# KiCad board heepokranios-bo.kicad_pcb
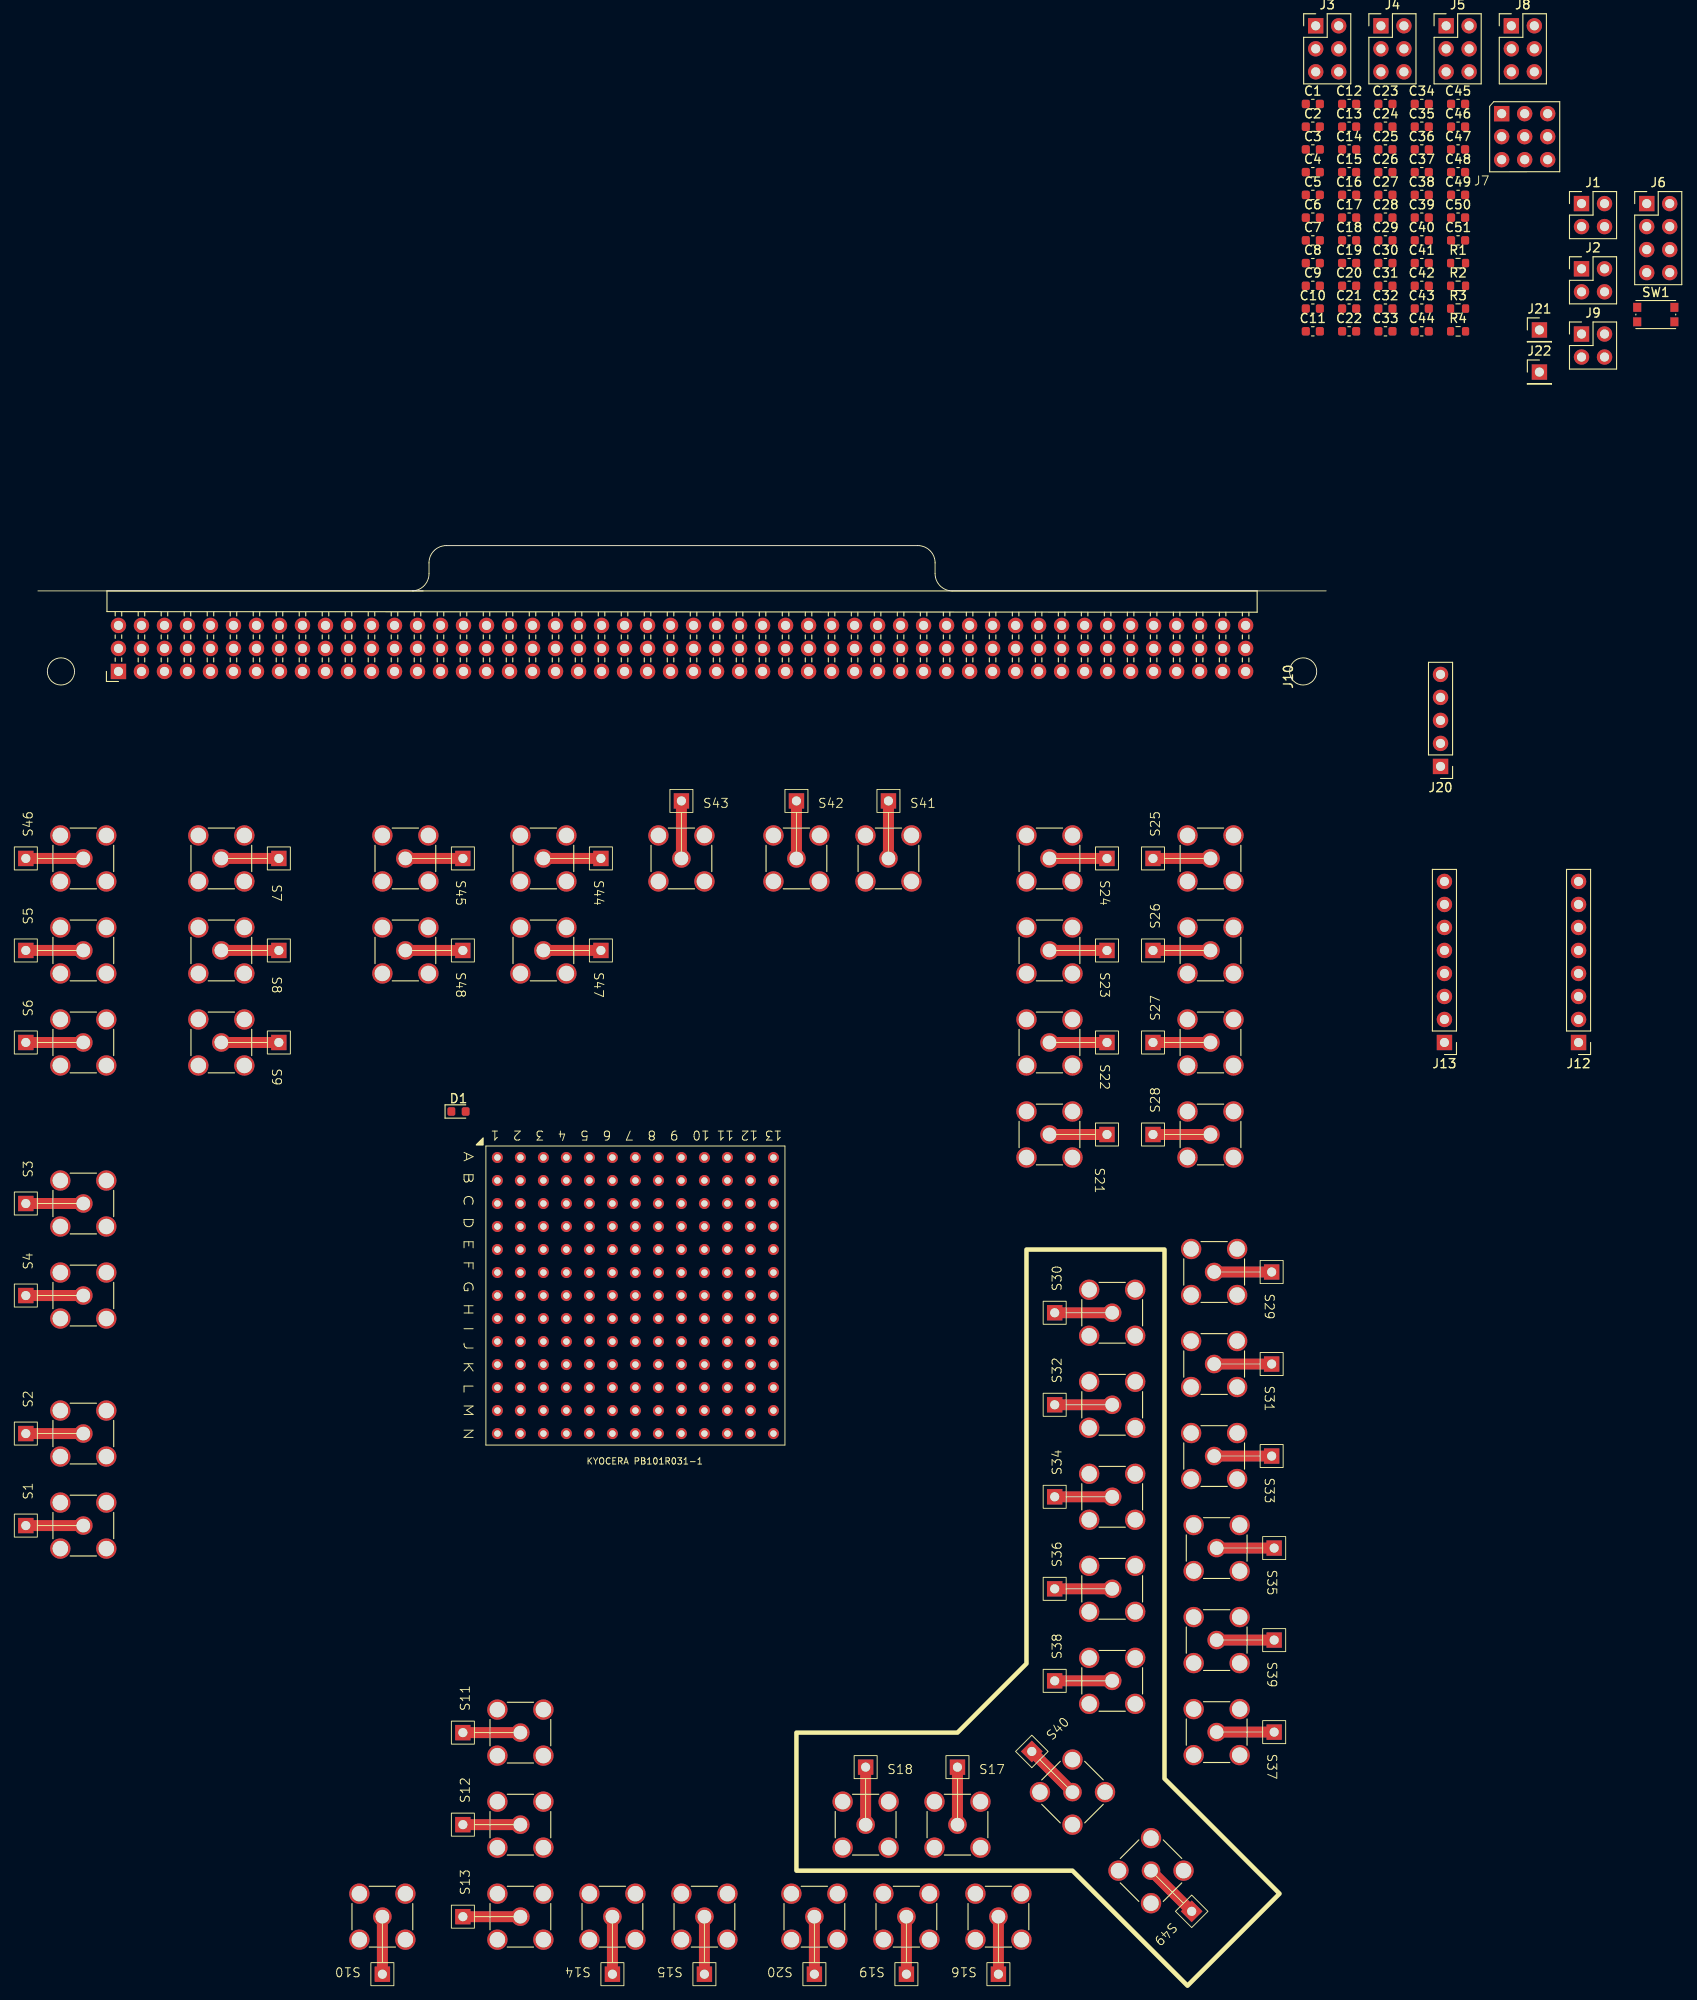
[diagram p0: board, top side]
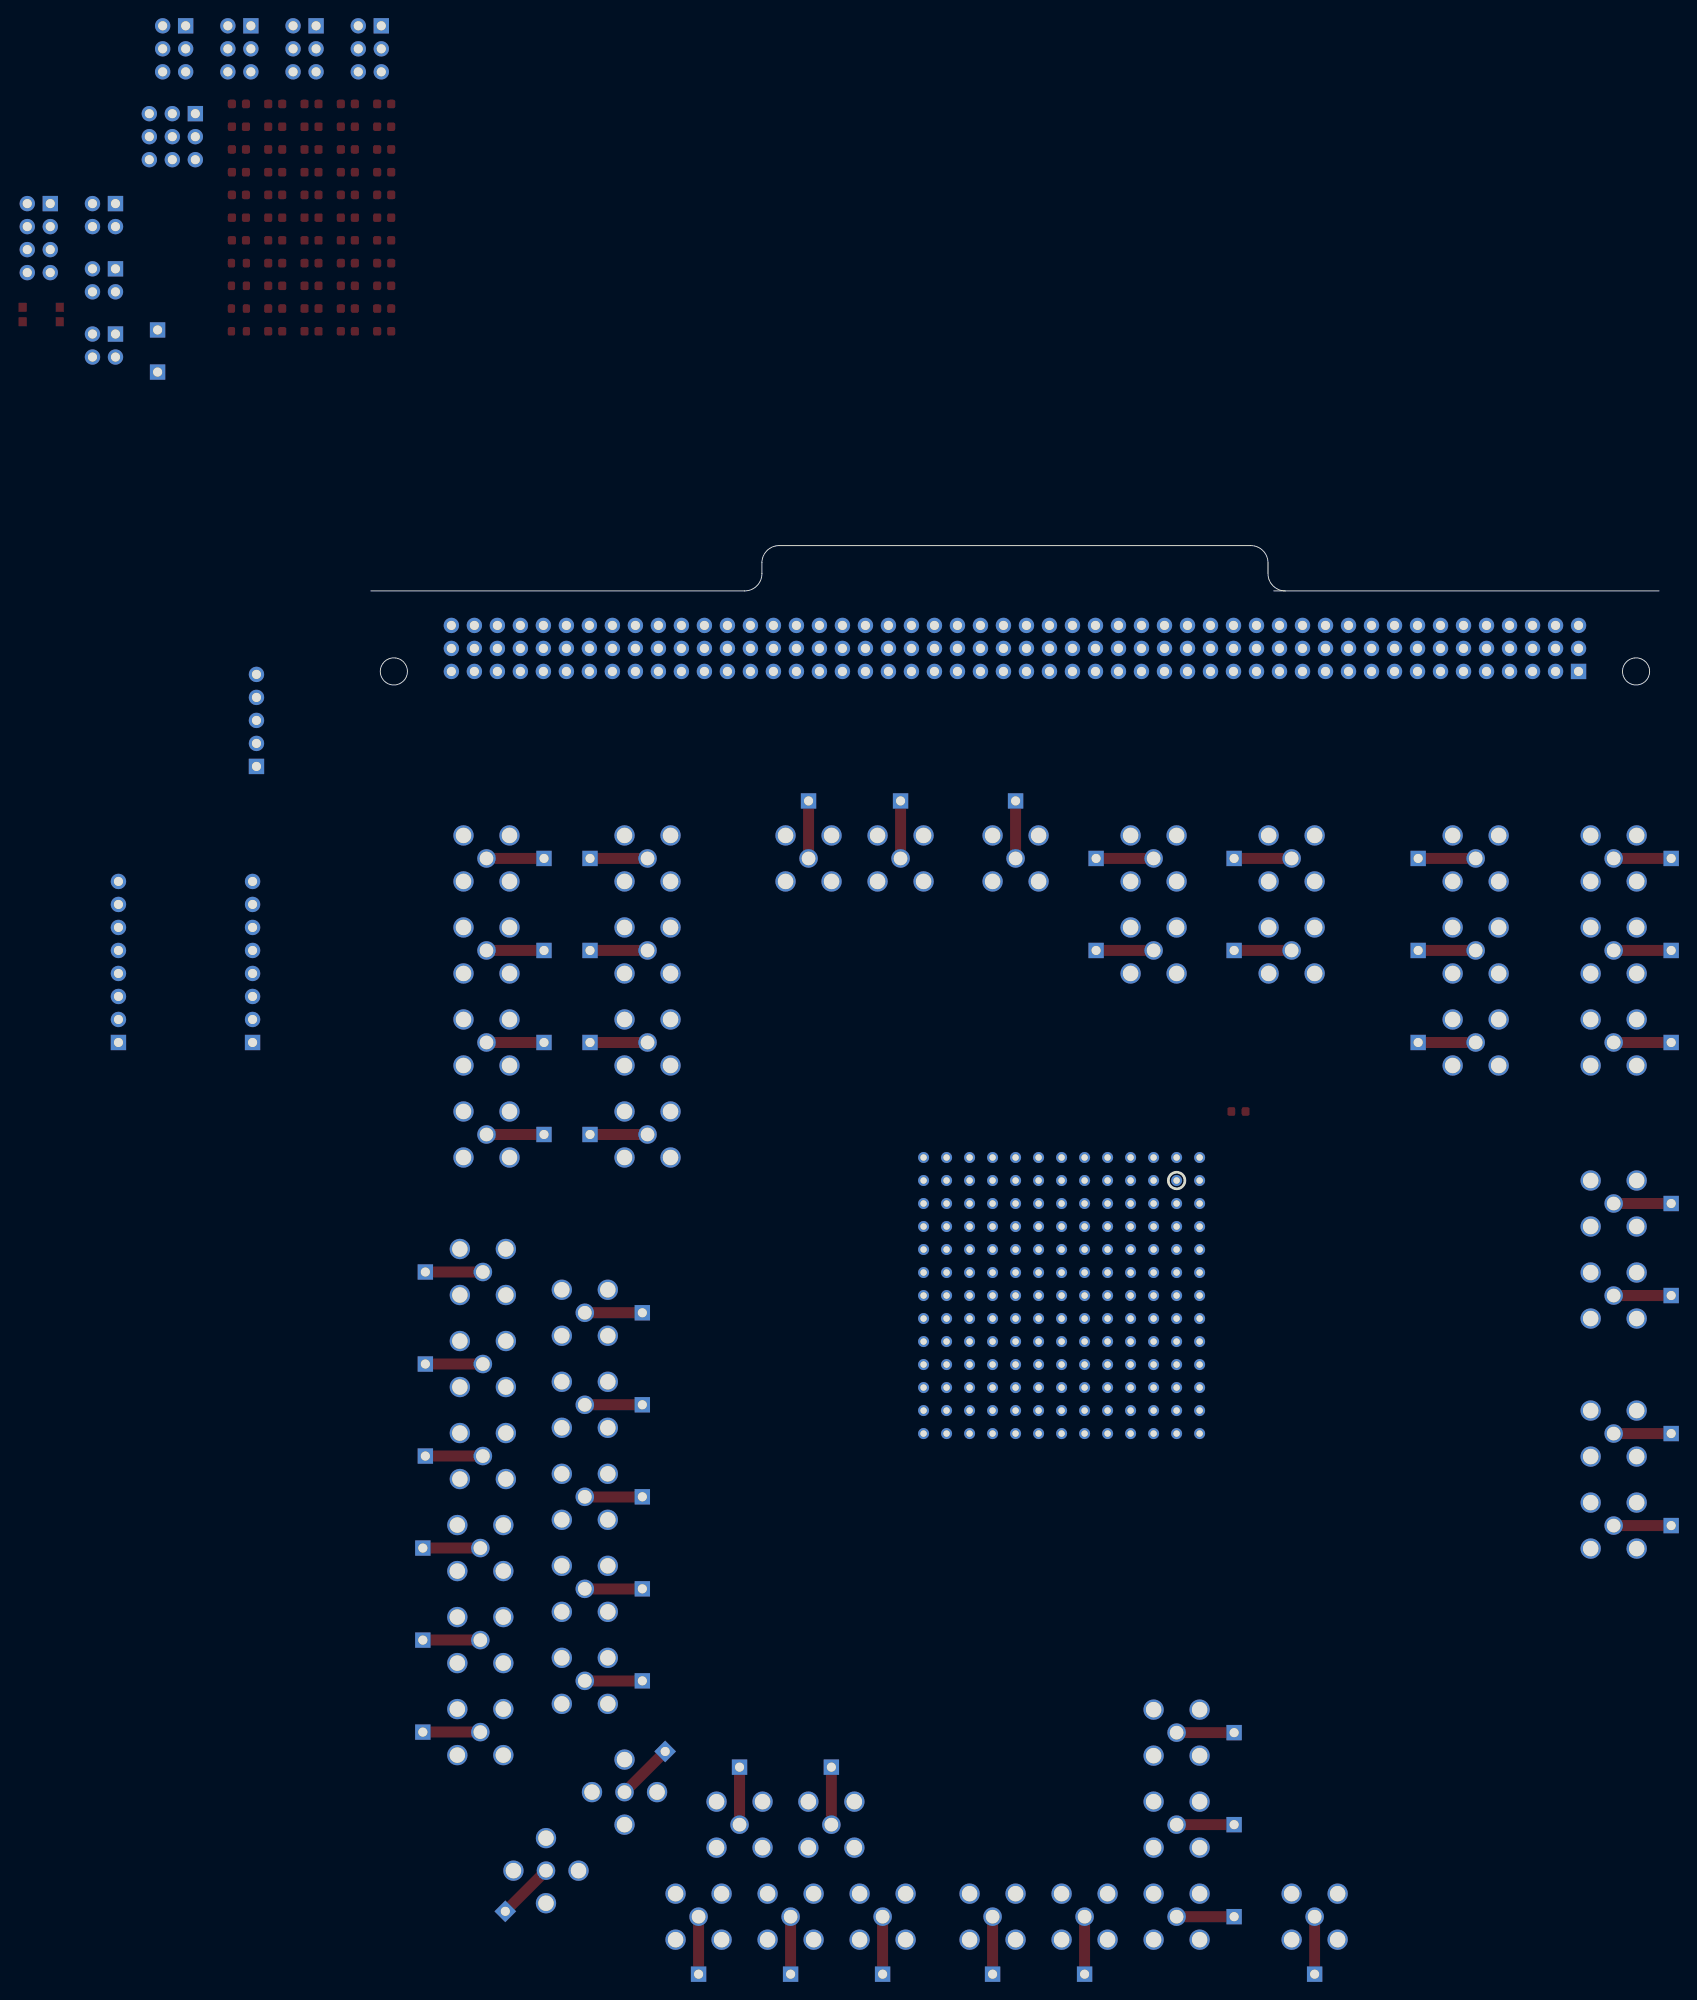
[diagram p1: board, bottom side, seen from below]

Outline 142.24 x 15.39 mm; copper layers: Top, In1.Cu, In2.Cu, Bottom. Coordinates in mm from the lower left corner of the outline.
Stack: Top 0.035mm / dielectric 0.2104mm FR4 er 4.5 / In1.Cu 0.0152mm / dielectric 1.065mm FR4 er 4.5 / In2.Cu 0.0152mm / dielectric 0.2104mm FR4 er 4.5 / Bottom 0.035mm

## Placement (name value [footprint] x y rotation side)
C1  100n  [C_0603_1608Metric]  140.77 64.15 0 top
C2  100n  [C_0603_1608Metric]  140.77 61.64 0 top
C3  100n  [C_0603_1608Metric]  140.77 59.13 0 top
C4  100n  [C_0603_1608Metric]  140.77 56.62 0 top
C5  100n  [C_0603_1608Metric]  140.77 54.11 0 top
C6  100n  [C_0603_1608Metric]  140.77 51.6 0 top
C7  100n  [C_0603_1608Metric]  140.77 49.09 0 top
C8  100n  [C_0603_1608Metric]  140.77 46.58 0 top
C9  100n  [C_0603_1608Metric]  140.77 44.07 0 top
C10  100n  [C_0603_1608Metric]  140.77 41.56 0 top
C11  100n  [C_0603_1608Metric]  140.77 39.05 0 top
C12  1u  [C_0603_1608Metric]  144.78 64.15 0 top
C13  1u  [C_0603_1608Metric]  144.78 61.64 0 top
C14  1u  [C_0603_1608Metric]  144.78 59.13 0 top
C15  1u  [C_0603_1608Metric]  144.78 56.62 0 top
C16  1u  [C_0603_1608Metric]  144.78 54.11 0 top
C17  1u  [C_0603_1608Metric]  144.78 51.6 0 top
C18  1u  [C_0603_1608Metric]  144.78 49.09 0 top
C19  1u  [C_0603_1608Metric]  144.78 46.58 0 top
C20  10u  [C_0603_1608Metric]  144.78 44.07 0 top
C21  10u  [C_0603_1608Metric]  144.78 41.56 0 top
C22  10u  [C_0603_1608Metric]  144.78 39.05 0 top
C23  10u  [C_0603_1608Metric]  148.79 64.15 0 top
C24  10u  [C_0603_1608Metric]  148.79 61.64 0 top
C25  10u  [C_0603_1608Metric]  148.79 59.13 0 top
C26  1u  [C_0603_1608Metric]  148.79 56.62 0 top
C27  1u  [C_0603_1608Metric]  148.79 54.11 0 top
C28  1u  [C_0603_1608Metric]  148.79 51.6 0 top
C29  10u  [C_0603_1608Metric]  148.79 49.09 0 top
C30  10u  [C_0603_1608Metric]  148.79 46.58 0 top
C31  10u  [C_0603_1608Metric]  148.79 44.07 0 top
C32  10u  [C_0603_1608Metric]  148.79 41.56 0 top
C33  10u  [C_0603_1608Metric]  148.79 39.05 0 top
C34  1u  [C_0603_1608Metric]  152.8 64.15 0 top
C35  1u  [C_0603_1608Metric]  152.8 61.64 0 top
C36  1u  [C_0603_1608Metric]  152.8 59.13 0 top
C37  1u  [C_0603_1608Metric]  152.8 56.62 0 top
C38  1u  [C_0603_1608Metric]  152.8 54.11 0 top
C39  1u  [C_0603_1608Metric]  152.8 51.6 0 top
C40  1u  [C_0603_1608Metric]  152.8 49.09 0 top
C41  100n  [C_0603_1608Metric]  152.8 46.58 0 top
C42  100n  [C_0603_1608Metric]  152.8 44.07 0 top
C43  100n  [C_0603_1608Metric]  152.8 41.56 0 top
C44  100n  [C_0603_1608Metric]  152.8 39.05 0 top
C45  100n  [C_0603_1608Metric]  156.81 64.15 0 top
C46  100n  [C_0603_1608Metric]  156.81 61.64 0 top
C47  100n  [C_0603_1608Metric]  156.81 59.13 0 top
C48  100n  [C_0603_1608Metric]  156.81 56.62 0 top
C49  100n  [C_0603_1608Metric]  156.81 54.11 0 top
C50  1u  [C_0603_1608Metric]  156.81 51.6 0 top
C51  1u  [C_0603_1608Metric]  156.81 49.09 0 top
D1  LED  [LED_0603_1608Metric]  46.44 -47.09 0 top
J1  Conn_02x02_Odd_Even  [PinHeader_2x02_P2.54mm_Vertical]  170.44 53.15 0 top
J2  Conn_02x02_Odd_Even  [PinHeader_2x02_P2.54mm_Vertical]  170.44 45.95 0 top
J3  Conn_02x03_Odd_Even  [PinHeader_2x03_P2.54mm_Vertical]  141.09 72.78 0 top
J4  Conn_02x03_Odd_Even  [PinHeader_2x03_P2.54mm_Vertical]  148.29 72.78 0 top
J5  Conn_02x03_Odd_Even  [PinHeader_2x03_P2.54mm_Vertical]  155.49 72.78 0 top
J6  Conn_02x04_Odd_Even  [PinHeader_2x04_P2.54mm_Vertical]  177.64 53.15 0 top
J7  ~  [Conn_3x03]  159.56 56.22 0 top
J8  Conn_02x03_Odd_Even  [PinHeader_2x03_P2.54mm_Vertical]  162.69 72.78 0 top
J9  Conn_02x02_Odd_Even  [PinHeader_2x02_P2.54mm_Vertical]  170.44 38.75 0 top
J10  ~  [cheep_board_connector]  71.11 -0.31 0 top
J11  -  [PGA_13x13]  82.48 -50.9 180 top
J12  Conn_01x08_Pin  [PinHeader_1x08_P2.54mm_Vertical]  170.11 -39.47 180 top
J13  Conn_01x08_Socket  [PinHeader_1x08_P2.54mm_Vertical]  155.3 -39.47 180 top
J20  Conn_01x05  [PinHeader_1x05_P2.54mm_Vertical]  154.87 -8.99 180 top
J21  Conn_01x03  [PinHeader_1x01_P2.54mm_Vertical]  165.79 39.2 0 top
J22  Conn_01x03  [PinHeader_1x01_P2.54mm_Vertical]  165.79 34.55 0 top
R1  1M  [R_0603_1608Metric]  156.81 46.58 0 top
R2  1M  [R_0603_1608Metric]  156.81 44.07 0 top
R3  1k  [R_0603_1608Metric]  156.81 41.56 0 top  (not fitted)
R4  10k  [R_0603_1608Metric]  156.81 39.05 0 top
S1  SMA connector  [SMA_w_tp]  9.33 -92.81 90 top
S2  SMA connector  [SMA_w_tp]  9.33 -82.65 90 top
S3  SMA connector  [SMA_w_tp]  9.33 -57.25 90 top
S4  SMA connector  [SMA_w_tp]  9.33 -67.41 90 top
S5  SMA connector  [SMA_w_tp]  9.33 -29.31 90 top
S6  SMA connector  [SMA_w_tp]  9.33 -39.47 90 top
S7  SMA connector  [SMA_w_tp]  15.93 -19.15 270 top
S8  SMA connector  [SMA_w_tp]  15.93 -29.31 270 top
S9  SMA connector  [SMA_w_tp]  15.93 -39.47 270 top
S10  SMA connector  [SMA_w_tp]  38.03 -131.67 180 top
S11  SMA connector  [SMA_w_tp]  57.59 -115.67 90 top
S12  SMA connector  [SMA_w_tp]  57.59 -125.83 90 top
S13  SMA connector  [SMA_w_tp]  57.59 -135.99 90 top
S14  SMA connector  [SMA_w_tp]  63.43 -131.67 180 top
S15  SMA connector  [SMA_w_tp]  73.59 -131.67 180 top
S16  SMA connector  [SMA_w_tp]  106.05 -131.67 180 top
S17  SMA connector  [SMA_w_tp]  101.53 -130.15 0 top
S18  SMA connector  [SMA_w_tp]  91.39 -130.15 0 top
S19  SMA connector  [SMA_w_tp]  95.89 -131.67 180 top
S20  SMA connector  [SMA_w_tp]  85.73 -131.67 180 top
S21  SMA connector  [SMA_w_tp]  107.37 -49.63 270 top
S22  SMA connector  [SMA_w_tp]  107.37 -39.47 270 top
S23  SMA connector  [SMA_w_tp]  107.37 -29.31 270 top
S24  SMA connector  [SMA_w_tp]  107.37 -19.15 270 top
S25  SMA connector  [SMA_w_tp]  133.79 -19.15 90 top
S26  SMA connector  [SMA_w_tp]  133.79 -29.31 90 top
S27  SMA connector  [SMA_w_tp]  133.79 -39.47 90 top
S28  SMA connector  [SMA_w_tp]  133.79 -49.63 90 top
S29  SMA connector  [SMA_w_tp]  125.55 -64.81 270 top
S30  SMA connector  [SMA_w_tp]  122.93 -69.31 90 top
S31  SMA connector  [SMA_w_tp]  125.55 -74.97 270 top
S32  SMA connector  [SMA_w_tp]  122.93 -79.47 90 top
S33  SMA connector  [SMA_w_tp]  125.55 -85.13 270 top
S34  SMA connector  [SMA_w_tp]  122.93 -89.63 90 top
S35  SMA connector  [SMA_w_tp]  125.83 -95.29 270 top
S36  SMA connector  [SMA_w_tp]  122.93 -99.79 90 top
S37  SMA connector  [SMA_w_tp]  125.83 -115.61 270 top
S38  SMA connector  [SMA_w_tp]  122.93 -109.95 90 top
S39  SMA connector  [SMA_w_tp]  125.83 -105.45 270 top
S40  SMA connector  [SMA_w_tp]  117.28 -125.29 45 top
S41  SMA connector  [SMA_w_tp]  93.91 -23.47 0 top
S42  SMA connector  [SMA_w_tp]  83.75 -23.47 0 top
S43  SMA connector  [SMA_w_tp]  71.05 -23.47 0 top
S44  SMA connector  [SMA_w_tp]  51.49 -19.15 270 top
S45  SMA connector  [SMA_w_tp]  36.25 -19.15 270 top
S46  SMA connector  [SMA_w_tp]  9.33 -19.15 90 top
S47  SMA connector  [SMA_w_tp]  51.49 -29.31 270 top
S48  SMA connector  [SMA_w_tp]  36.25 -29.31 270 top
S49  SMA connector  [SMA_w_tp]  119.85 -127.85 225 top
SW1  SW_Push  [SW_Push_1P1T_NO_CK_KMR2]  178.64 40.9 0 top

## Library data of the parts
C1-C51 = -: Description: Unpolarized capacitor, small symbol; Digikey Part Number: 399-9158-1-ND; Mouser Part Number: 80-C0805C104Z3V; LCSC: C30926; ki_fp_filters: C_*
D1 = -: Description: Light emitting diode; ki_fp_filters: LED* LED_SMD:* LED_THT:*
J1 J2 J9 = -: Description: Generic connector, double row, 02x02, odd/even pin numbering scheme (row 1 odd numbers, row 2 even numbers), script generated (kicad-library-utils/schlib/autogen/connector/); ki_fp_filters: Connector*:*_2x??_*
J3-J5 J8 = -: Description: Generic connector, double row, 02x03, odd/even pin numbering scheme (row 1 odd numbers, row 2 even numbers), script generated (kicad-library-utils/schlib/autogen/connector/); ki_fp_filters: Connector*:*_2x??_*
J6 = -: Description: Generic connector, double row, 02x04, odd/even pin numbering scheme (row 1 odd numbers, row 2 even numbers), script generated (kicad-library-utils/schlib/autogen/connector/); ki_fp_filters: Connector*:*_2x??_*
J11 = -: Datasheet: https://europractice-ic.com/wp-content/uploads/2019/06/CD_PGA100.pdf; Description: CPGA packaging from KYOCERA; Height: 5.76; Mouser Part Number: 535-100-PGM13061-10; Mouser Price/Stock: https://www.mouser.co.uk/ProductDetail/Aries-Electronics/100-PGM13061-10/?qs=lhPGKwqifAEVifs5MrA91Q%3D%3D; Manufacturer_Name: ARIES; Manufacturer_Part_Number: 100-PGM13061-10
J12 J13 = -: Description: Generic connector, single row, 01x08, script generated; ki_fp_filters: Connector*:*_1x??_*
J20 = -: Description: Generic connector, single row, 01x05, script generated (kicad-library-utils/schlib/autogen/connector/); ki_fp_filters: Connector*:*_1x??_*
J21 J22 = -: Description: Generic connector, single row, 01x01, script generated (kicad-library-utils/schlib/autogen/connector/); ki_fp_filters: Connector*:*_1x??_*
R1 R2 R4 = -: Description: Resistor, US symbol; ki_fp_filters: R_*
R3 = -: Description: Resistor; LCSC: C21190; ki_fp_filters: R_*
S1-S49 = -: Description: coaxial connector (BNC, SMA, SMB, SMC, Cinch/RCA, LEMO, ...)
SW1 = -: Description: Push button switch, generic, two pins

## Footprints (pads in the part's own frame, mm; a bottom-side part is the same pattern mirrored in y, then rotated)
C_0603_1608Metric
  rrect 0.9x0.95 smd: 1(-0.775,0) 2(0.775,0)
cheep_board_connector
  rect 1.7x1.7 hole 1: A1(-62.22,1.81)
  round 1.7 hole 1: A2(-59.68,1.81) A3(-57.14,1.81) A4(-54.6,1.81) A5(-52.06,1.81) A6(-49.52,1.81) A7(-46.98,1.81) A8(-44.44,1.81) A9(-41.9,1.81) A10(-39.36,1.81) A11(-36.82,1.81) A12(-34.28,1.81) A13(-31.74,1.81) A14(-29.2,1.81) A15(-26.66,1.81) A16(-24.12,1.81) A17(-21.58,1.81) A18(-19.04,1.81) A19(-16.5,1.81) A20(-13.96,1.81) A21(-11.42,1.81) A22(-8.88,1.81) A23(-6.34,1.81) A24(-3.8,1.81) A25(-1.26,1.81) A26(1.28,1.81) A27(3.82,1.81) A28(6.36,1.81) A29(8.9,1.81) A30(11.44,1.81) A31(13.98,1.81) A32(16.52,1.81) A33(19.06,1.81) A34(21.6,1.81) A35(24.14,1.81) A36(26.68,1.81) A37(29.22,1.81) A38(31.76,1.81) A39(34.3,1.81) A40(36.84,1.81) A41(39.38,1.81) A42(41.92,1.81) A43(44.46,1.81) A44(47,1.81) A45(49.54,1.81) A46(52.08,1.81) A47(54.62,1.81) A48(57.16,1.81) A49(59.7,1.81) A50(62.24,1.81) B1(-62.22,4.35) B2(-59.68,4.35) B3(-57.14,4.35) B4(-54.6,4.35) B5(-52.06,4.35) B6(-49.52,4.35) B7(-46.98,4.35) B8(-44.44,4.35) B9(-41.9,4.35) B10(-39.36,4.35) B11(-36.82,4.35) B12(-34.28,4.35) B13(-31.74,4.35) B14(-29.2,4.35) B15(-26.66,4.35) B16(-24.12,4.35) B17(-21.58,4.35) B18(-19.04,4.35) B19(-16.5,4.35) B20(-13.96,4.35) B21(-11.42,4.35) B22(-8.88,4.35) B23(-6.34,4.35) B24(-3.8,4.35) B25(-1.26,4.35) B26(1.28,4.35) B27(3.82,4.35) B28(6.36,4.35) B29(8.9,4.35) B30(11.44,4.35) B31(13.98,4.35) B32(16.52,4.35) B33(19.06,4.35) B34(21.6,4.35) B35(24.14,4.35) B36(26.68,4.35) B37(29.22,4.35) B38(31.76,4.35) B39(34.3,4.35) B40(36.84,4.35) B41(39.38,4.35) B42(41.92,4.35) B43(44.46,4.35) B44(47,4.35) B45(49.54,4.35) B46(52.08,4.35) B47(54.62,4.35) B48(57.16,4.35) B49(59.7,4.35) B50(62.24,4.35) C1(-62.22,6.89) C2(-59.68,6.89) C3(-57.14,6.89) C4(-54.6,6.89) C5(-52.06,6.89) C6(-49.52,6.89) C7(-46.98,6.89) C8(-44.44,6.89) C9(-41.9,6.89) C10(-39.36,6.89) C11(-36.82,6.89) C12(-34.28,6.89) C13(-31.74,6.89) C14(-29.2,6.89) C15(-26.66,6.89) C16(-24.12,6.89) C17(-21.58,6.89) C18(-19.04,6.89) C19(-16.5,6.89) C20(-13.96,6.89) C21(-11.42,6.89) C22(-8.88,6.89) C23(-6.34,6.89) C24(-3.8,6.89) C25(-1.26,6.89) C26(1.28,6.89) C27(3.82,6.89) C28(6.36,6.89) C29(8.9,6.89) C30(11.44,6.89) C31(13.98,6.89) C32(16.52,6.89) C33(19.06,6.89) C34(21.6,6.89) C35(24.14,6.89) C36(26.68,6.89) C37(29.22,6.89) C38(31.76,6.89) C39(34.3,6.89) C40(36.84,6.89) C41(39.38,6.89) C42(41.92,6.89) C43(44.46,6.89) C44(47,6.89) C45(49.54,6.89) C46(52.08,6.89) C47(54.62,6.89) C48(57.16,6.89) C49(59.7,6.89) C50(62.24,6.89)
Conn_3x03
  rect 1.7x1.7 hole 1: 1(2.057,6.858)
  oval 1.7x1.7 hole 1: 2(2.057,4.318) 3(2.057,1.778) 5(4.597,4.318) 6(4.597,1.778) 8(7.137,4.318) 9(7.137,1.778)
  round 1.7 hole 1: 4(4.597,6.858) 7(7.137,6.858)
LED_0603_1608Metric
  rrect 0.875x0.95 smd: 1(-0.787,0) 2(0.787,0)
PGA_13x13
  round 1.217 hole 0.71: A1(31.75,1.27) A2(29.21,1.27) A3(26.67,1.27) A4(24.13,1.27) A5(21.59,1.27) A6(19.05,1.27) A7(16.51,1.27) A8(13.97,1.27) A9(11.43,1.27) A10(8.89,1.27) A11(6.35,1.27) A12(3.81,1.27) A13(1.27,1.27) B1(31.75,3.81) B2(29.21,3.81) B3(26.67,3.81) B4(24.13,3.81) B5(21.59,3.81) B6(19.05,3.81) B7(16.51,3.81) B8(13.97,3.81) B9(11.43,3.81) B10(3.81,3.81) B10(8.89,3.81) B11(6.35,3.81) B13(1.27,3.81) C1(31.75,6.35) C2(29.21,6.35) C3(26.67,6.35) C4(24.13,6.35) C5(21.59,6.35) C6(19.05,6.35) C7(16.51,6.35) C8(13.97,6.35) C9(11.43,6.35) C10(8.89,6.35) C11(6.35,6.35) C12(3.81,6.35) C13(1.27,6.35) D1(31.75,8.89) D2(29.21,8.89) D3(26.67,8.89) D4(24.13,8.89) D5(21.59,8.89) D6(19.05,8.89) D7(16.51,8.89) D8(13.97,8.89) D9(11.43,8.89) D10(8.89,8.89) D11(6.35,8.89) D12(3.81,8.89) D13(1.27,8.89) E1(31.75,11.43) E2(29.21,11.43) E3(26.67,11.43) E4(24.13,11.43) E5(21.59,11.43) E6(19.05,11.43) E7(16.51,11.43) E8(13.97,11.43) E9(11.43,11.43) E10(8.89,11.43) E11(6.35,11.43) E12(3.81,11.43) E13(1.27,11.43) F1(31.75,13.97) F2(29.21,13.97) F3(26.67,13.97) F4(24.13,13.97) F5(21.59,13.97) F6(19.05,13.97) F7(16.51,13.97) F8(13.97,13.97) F9(11.43,13.97) F10(8.89,13.97) F11(6.35,13.97) F12(3.81,13.97) f13(1.27,13.97) G1(31.75,16.51) G2(29.21,16.51) G3(26.67,16.51) G4(24.13,16.51) G5(21.59,16.51) G6(19.05,16.51) G7(16.51,16.51) G8(13.97,16.51) G9(11.43,16.51) G10(8.89,16.51) G11(6.35,16.51) G12(3.81,16.51) G13(1.27,16.51) H1(31.75,19.05) H2(29.21,19.05) H3(26.67,19.05) H4(24.13,19.05) H5(21.59,19.05) H6(19.05,19.05) H7(16.51,19.05) H8(13.97,19.05) H9(11.43,19.05) H10(8.89,19.05) H11(6.35,19.05) H12(3.81,19.05) H13(1.27,19.05) J1(31.75,21.59) J2(29.21,21.59) J3(26.67,21.59) J4(24.13,21.59) J5(21.59,21.59) J6(19.05,21.59) J7(16.51,21.59) J8(13.97,21.59) J9(11.43,21.59) J10(8.89,21.59) J11(6.35,21.59) J12(3.81,21.59) J13(1.27,21.59) K1(31.75,24.13) K2(29.21,24.13) K3(26.67,24.13) K4(24.13,24.13) K5(21.59,24.13) K6(19.05,24.13) K7(16.51,24.13) K8(13.97,24.13) K9(11.43,24.13) K10(8.89,24.13) K11(6.35,24.13) K12(3.81,24.13) K13(1.27,24.13) L1(31.75,26.67) L2(29.21,26.67) L3(26.67,26.67) L4(24.13,26.67) L5(21.59,26.67) L6(19.05,26.67) L7(16.51,26.67) L8(13.97,26.67) L9(11.43,26.67) L10(8.89,26.67) L11(6.35,26.67) L12(3.81,26.67) L13(1.27,26.67) M1(31.75,29.21) M2(29.21,29.21) M3(26.67,29.21) M4(24.13,29.21) M5(21.59,29.21) M6(19.05,29.21) M7(16.51,29.21) M8(13.97,29.21) M9(11.43,29.21) M10(8.89,29.21) M11(6.35,29.21) M12(3.81,29.21) M13(1.27,29.21) N1(31.75,31.75) N2(29.21,31.75) N3(26.67,31.75) N4(24.13,31.75) N5(21.59,31.75) N6(19.05,31.75) N7(16.51,31.75) N8(13.97,31.75) N9(11.43,31.75) N10(8.89,31.75) N11(6.35,31.75) N12(3.81,31.75) N13(1.27,31.75)
PinHeader_1x01_P2.54mm_Vertical
  rect 1.7x1.7 hole 1: 1(0,0)
PinHeader_1x05_P2.54mm_Vertical
  rect 1.7x1.7 hole 1: 1(0,0)
  oval 1.7x1.7 hole 1: 2(0,-2.54) 3(0,-5.08) 4(0,-7.62) 5(0,-10.16)
PinHeader_1x08_P2.54mm_Vertical
  rect 1.7x1.7 hole 1: 1(0,0)
  oval 1.7x1.7 hole 1: 2(0,-2.54) 3(0,-5.08) 4(0,-7.62) 5(0,-10.16) 6(0,-12.7) 7(0,-15.24) 8(0,-17.78)
PinHeader_2x02_P2.54mm_Vertical
  rect 1.7x1.7 hole 1: 1(0,0)
  oval 1.7x1.7 hole 1: 2(2.54,0) 3(0,-2.54) 4(2.54,-2.54)
PinHeader_2x03_P2.54mm_Vertical
  rect 1.7x1.7 hole 1: 1(0,0)
  oval 1.7x1.7 hole 1: 2(2.54,0) 3(0,-2.54) 4(2.54,-2.54) 5(0,-5.08) 6(2.54,-5.08)
PinHeader_2x04_P2.54mm_Vertical
  rect 1.7x1.7 hole 1: 1(0,0)
  oval 1.7x1.7 hole 1: 2(2.54,0) 3(0,-2.54) 4(2.54,-2.54) 5(0,-5.08) 6(2.54,-5.08) 7(0,-7.62) 8(2.54,-7.62)
R_0603_1608Metric
  rrect 0.8x0.95 smd: 1(-0.825,0) 2(0.825,0)
SMA_w_tp
  rect 1.7x1.7 hole 1: 1(0,10.668)
  round 2.05 hole 1.5: 1(0,4.318)
  round 2.25 hole 1.7: 2(-2.54,6.858) 2(-2.54,1.778) 2(2.54,6.858) 2(2.54,1.778)
SW_Push_1P1T_NO_CK_KMR2
  rect 0.9x1 smd: 1(-2.05,0.8) 1(2.05,0.8) 2(-2.05,-0.8) 2(2.05,-0.8)

## Nets
GND: C1.2 C2.2 C3.2 C4.2 C5.2 C6.2 C7.2 C8.2 C9.2 C10.2 C11.2 C12.2 C13.2 C14.2 C15.2 C16.2 C17.2 C18.2 C19.2 C20.1 C21.1 C22.1 C23.1 C24.1 C25.1 C26.2 C27.2 C28.2 C29.1 C30.1 C31.1 C32.1 C33.1 C34.2 C35.2 C36.2 C37.2 C38.2 C39.2 C40.2 C41.2 C42.2 C43.2 C44.2 C45.2 C46.2 C47.2 C48.2 C49.2 C50.2 C51.2 J11.B1 J11.B5 J11.B9 J11.M7 J11.M12 J11.N1 J11.N12 J20.5 R1.2 R2.2 S1.2 S2.2 S3.2 S4.2 S5.2 S6.2 S7.2 S8.2 S9.2 S10.2 S11.2 S12.2 S13.2 S14.2 S15.2 S16.2 S17.2 S18.2 S19.2 S20.2 S21.2 S22.2 S23.2 S24.2 S25.2 S26.2 S27.2 S28.2 S29.2 S30.2 S31.2 S32.2 S33.2 S34.2 S35.2 S36.2 S37.2 S38.2 S39.2 S40.2 S41.2 S42.2 S43.2 S44.2 S45.2 S46.2 S47.2 S48.2 S49.2 SW1.2
VDD_IO: J10.C31 R3.2 R4.1
VSS: J10.B8 J10.B13 J10.B18 J10.B23 J10.B28 J10.B29 J10.B32 J10.B33 J10.B38 J10.B43 J10.C8 J10.C13 J10.C18 J10.C23 J10.C28 J10.C30 J10.C33 J10.C38 J10.C43
/CG_BPE_VDD: C22.2 C37.1 C45.1 J10.B41 J11.G12
/CG_CH_01_ADCS_VDD: C23.2 J7.1 J7.2 J7.3 J10.B40
/CG_CH_01_LNA_VDD: C21.2 J8.1 J8.2 J10.B45
/CG_DATA_CLK_VIN: C29.2 J2.3 J10.B16
/CG_IIN: J9.1 J10.B11
/CG_LC_VDD: C11.1 C19.1 C32.2 J10.B6 J11.L2
/CG_LNA_VCM: C20.2 J4.1 J4.2 J10.B46
/CG_RECT_VOUT: C30.2 J5.1 J5.2 J10.B15
/CG_REFS_VDD: C33.2 J3.1 J3.2 J10.B5
/CG_VDD: C25.2 C41.1 C49.1 C50.1 C51.1 J10.B35 J11.A5
/CG_VDD_IO: C1.1 C2.1 C3.1 C4.1 C12.1 C24.2 C26.1 C27.1 C28.1 J10.B36 J11.A12 J11.C2 J11.M2 J11.M13
/CG_VREF: C31.2 J6.3 J6.5 J10.B10
/CH_0_DSM_VDD: C35.1 C43.1 J7.4 J11.G13
/CH_0_LNA_VDD: C40.1 C48.1 J8.3 J11.L12
/CH_0_PD_VCO_VDD: C36.1 C44.1 J7.5 J11.G11
/CH_1_DSM_VDD: C38.1 C46.1 J7.6 J11.K12
/CH_1_VDD: C39.1 C47.1 J8.4 J11.L13
/CH_234_VDD: C10.1 C18.1 J3.3 J11.M1
/CLK_32k: J10.C32
/DMUX_0: J11.A13 J12.1 J13.1 S21.1
/DMUX_1: J11.C12 J12.2 J13.2 S22.1
/DMUX_2: J11.B13 J12.3 J13.3 S23.1
/DMUX_3: J11.C13 J12.4 J13.4 S24.1
/DMUX_4: J11.D12 J12.5 J13.5 S25.1
/DMUX_5: J11.D13 J12.6 J13.6 S26.1
/DMUX_6: J11.E12 J12.7 J13.7 S27.1
/DMUX_7: J11.E13 J12.8 J13.8 S28.1
/IMIRROR_IIN: J9.2 J9.4 J11.K1
/IMIRROR_IOUT: J11.F3 R2.1 S2.1
/IREF_IOUT: J1.1 J1.3 J11.J2
/JTAG_TCK: J10.B24 J11.A2
/JTAG_TDI: J10.C25 J11.A3
/JTAG_TDO: J10.C24 J11.B3
/JTAG_TMS: J10.B25 J11.B4
/JTAG_TRST: J10.C26 J11.A4
/LNA_VCM_VIN: C34.1 C42.1 J4.3 J11.M6
/nRST: J10.B26 J11.B2 R3.1 SW1.1
/PLL_CLK: J10.C29 S7.1
/REFS_VDD: C8.1 C16.1 J3.4 J11.J1
/reg2ser_scki: S46.1
/spi_slave_cs: J11.C8 J20.4
/spi_slave_miso: J11.B8 J20.3
/spi_slave_mosi: J11.B7 J20.1 S48.1
/spi_slave_sck: J11.A8 J20.2 S47.1
/UART_CHEEP_RX: J10.C22 J11.A10
/UART_CHEEP_TX: J10.B22 J11.B10
/VREF_0V4_BUFF: J4.5 J4.6 J11.L6
/VREF_0V5_BUFF: J6.7 J11.K2
/VREF_0V5_UNBUFF: J6.1 J11.H1
/VREF_0V6_BUFF: J2.1 J11.E2
/VREF_EN: J5.4 J11.G3
/VREF_HVDD: C6.1 C14.1 J5.3 J11.G1
/VREF_VIN: C9.1 C17.1 J6.6 J6.8 J11.L1
/wpdt2ser_scko: J11.A7 S44.1
/wpdt2ser_sdo: J11.C7 S45.1
/WPDT_BLOCKS_VIN: J4.4 J11.N5
/WPDT_DATA_CLK_VIN: C5.1 C13.1 J2.2 J2.4 J11.D1
/WPDT_LDO_VIN: C7.1 C15.1 J6.2 J6.4 J11.H2
/WPDT_LDO_VOUT: J3.5 J3.6 J7.7 J7.8 J7.9 J8.5 J8.6 J11.H3
/WPDT_RECT_VOUT: J5.5 J5.6 J11.G2
/WPDT_SCKI: J11.B6 J21.1 S42.1
/WPDT_SCKO: J11.A6 S43.1
/WPDT_SDI: J11.C6 J22.1 S41.1
Net-(D1-A): D1.2 R4.2
Net-(D1-K): D1.1 J11.A1
Net-(J1-Pin_2): J1.2 J9.3
Net-(J1-Pin_4): J1.4 R1.1 S1.1
Net-(J11-4): J11.C1 S5.1 S8.1
Net-(J11-5): J11.D2 S6.1 S9.1
Net-(J11-8): J11.E1 S3.1
Net-(J11-11): J11.F1 S4.1
Net-(J11-27): J11.N2 S10.1
Net-(J11-28): J11.M3 S11.1
Net-(J11-29): J11.N3 S12.1
Net-(J11-30): J11.M4 S13.1
Net-(J11-31): J11.N4 S14.1
Net-(J11-32): J11.M5 S15.1
Net-(J11-36): J11.N6 S16.1
Net-(J11-39): J11.N7 S17.1
Net-(J11-40): J11.N8 S18.1
Net-(J11-41): J11.M8 S19.1
Net-(J11-42): J11.L8 S20.1
Net-(J11-43): J11.N9 S40.1 S49.1
Net-(J11-45): J11.N10 S39.1
Net-(J11-47): J11.N11 S38.1
Net-(J11-50): J11.N13 S37.1
Net-(J11-56): J11.K13 S36.1
Net-(J11-57): J11.J12 S35.1
Net-(J11-58): J11.J13 S34.1
Net-(J11-59): J11.H11 S33.1
Net-(J11-60): J11.H12 S32.1
Net-(J11-61): J11.H13 S31.1
Net-(J11-65): S30.1
Net-(J11-66): J11.F12 S29.1

Pads without a net: J10 A1 A2 A3 A4 A5 A6 A7 A8 A9 A10 A11 A12 A13 A14 A15 A16 A17 A18 A19 A20 A21 A22 A23 A24 A25 A26 A27 A28 A29 A30 A31 A32 A33 A34 A35 A36 A37 A38 A39 A40 A41 A42 A43 A44 A45 A46 A47 A48 A49 A50 B1 B2 B3 B4 B7 B9 B12 B14 B17 B19 B20 B21 B27 B30 B31 B34 B37 B39 B42 B44 B47 B48 B49 B50 C1 C2 C3 C4 C5 C6 C7 C9 C10 C11 C12 C14 C15 C16 C17 C19 C20 C21 C27 C34 C35 C36 C37 C39 C40 C41 C42 C44 C45 C46 C47 C48 C49 C50; J11 A9 A11 B11 C3 C4 C5 C9 C10 C11 D3 D4 D5 D6 D7 D8 D9 D10 D11 E3 E4 E5 E6 E7 E8 E9 E10 E11 F2 F4 F5 F6 F7 F8 F9 F10 F11 f13 G4 G5 G6 G7 G8 G9 G10 H4 H5 H6 H7 H8 H9 H10 J3 J4 J5 J6 J7 J8 J9 J10 J11 K3 K4 K5 K6 K7 K8 K9 K10 K11 L3 L4 L5 L7 L9 L10 L11 M9 M10 M11
